# KiCad board Vectrex Pad miniNeoGeo-rounded.kicad_pcb
title: Vectrex Pad miniNeoGeo; date: 2022-05-11; rev: 1.2; note: or send a letter to Creative Commons, PO Box 1866, Mountain View, CA 94042, USA.; note: To view a copy of this license, visit http://creativecommons.org/licenses/by-sa/4.0/; note: Attribution-ShareAlike 4.0 International License.; note: This work is licensed under the Creative Commons
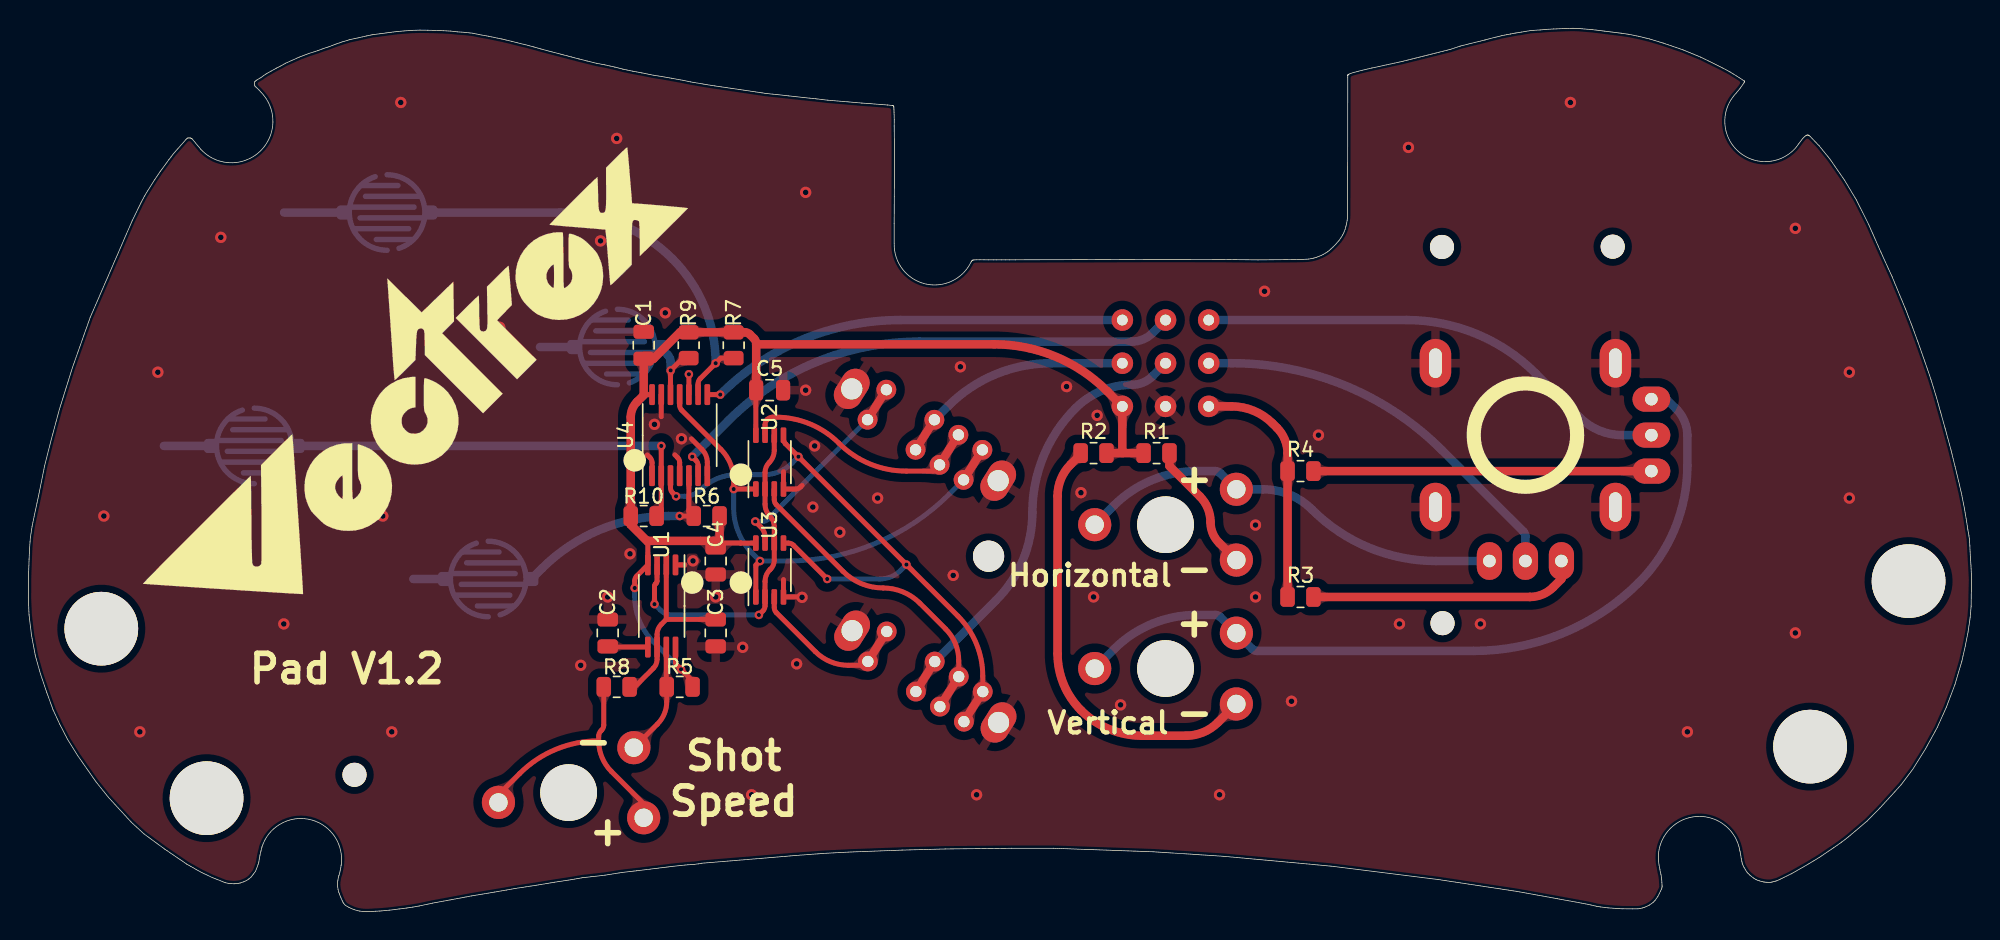
[diagram p0: board, top side]
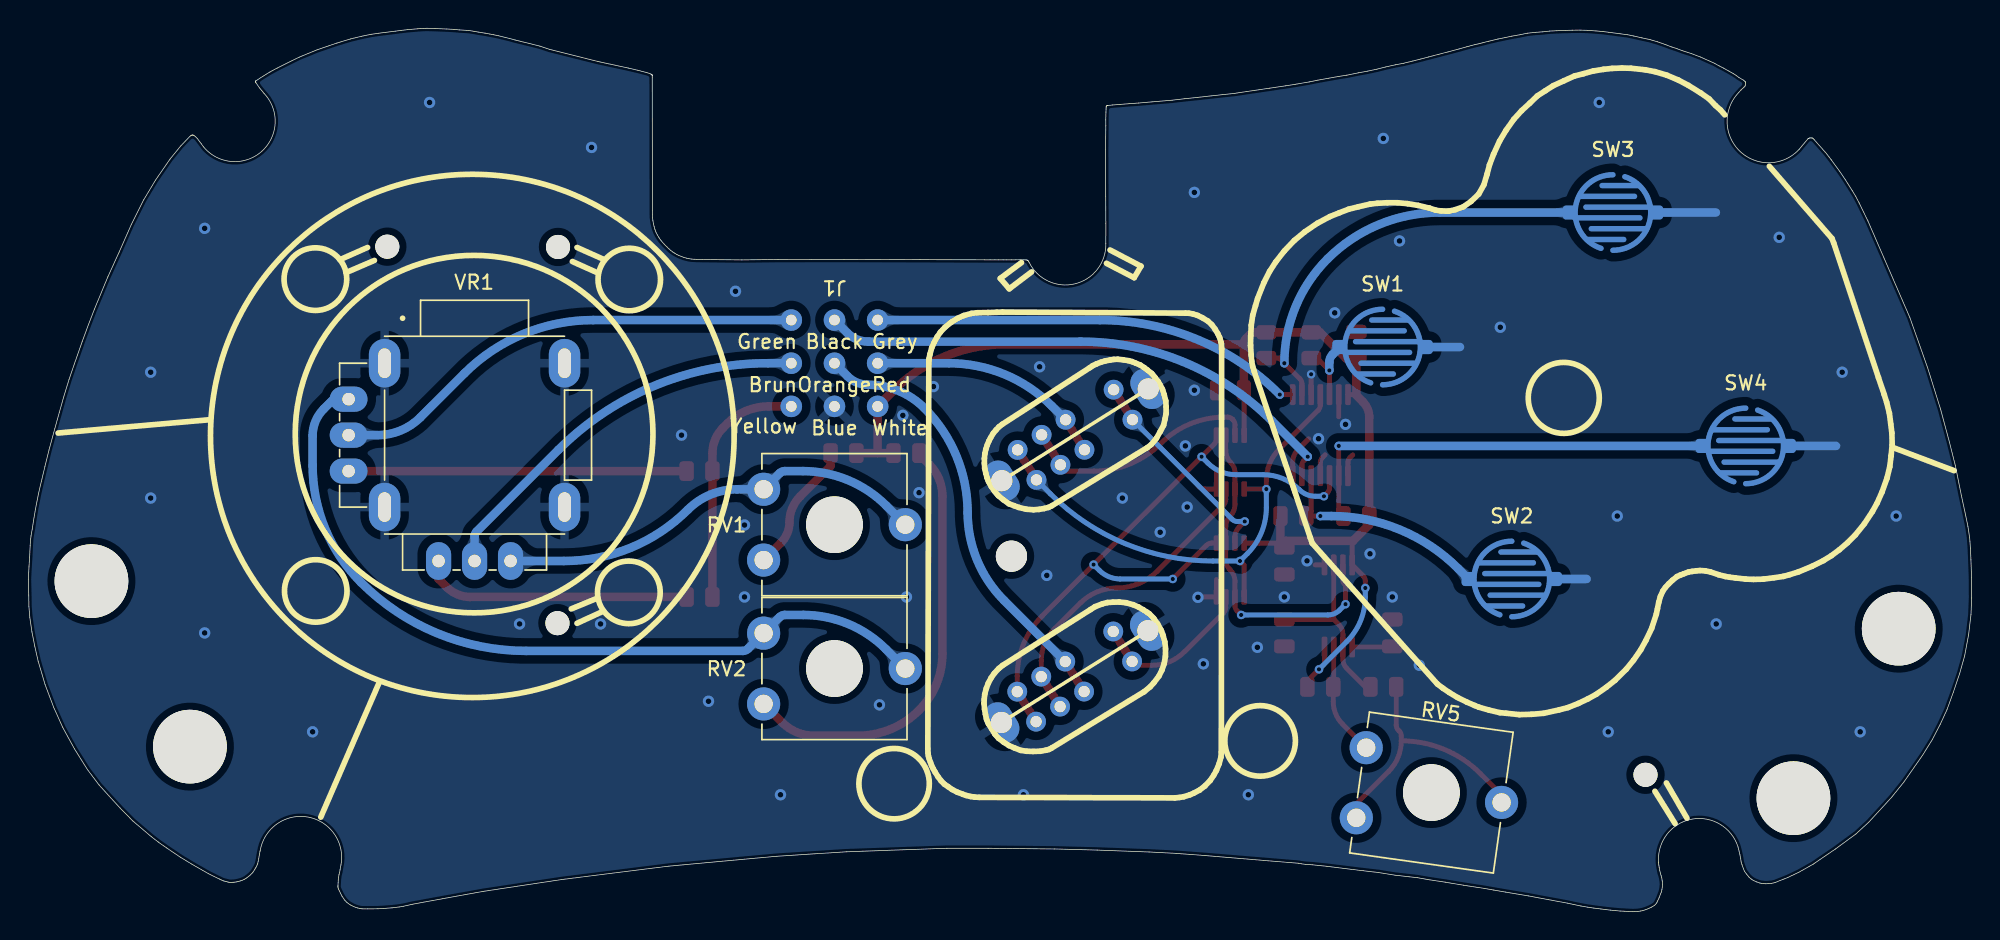
[diagram p1: board, bottom side, seen from below]

Outline 137.15 x 62.39 mm; copper layers: Top, Bottom. Coordinates in mm from the lower left corner of the outline.
Outline path: 0,22.16 0.01,23.61 0.05,24.88 0.09,25.63 0.12,26.15 0.14,26.42 0.26,27.22 0.44,28.06 0.72,29.38 1.15,31.5 1.57,33.15 2.19,35.46 3.11,38.43 4.36,41.96 7.32,48.79 7.94,50.06 8.19,50.54 8.43,50.93 8.93,51.71 9.31,52.29 9.62,52.71 9.92,53.11 10.06,53.3 10.26,53.56 11.11,54.52 11.17,54.58 11.22,54.63 11.26,54.65 11.32,54.65 11.39,54.65 11.43,54.65 11.46,54.64 11.5,54.62 11.52,54.61 11.55,54.59 11.58,54.55 12.18,53.84 arc(16.34,53.7) 16.44,57.86 16.28,58.04 16.17,58.14 16.06,58.25 16,58.3 15.98,58.35 15.96,58.4 15.96,58.49 15.96,58.56 15.97,58.59 15.98,58.62 16.01,58.66 16.11,58.73 16.43,58.92 16.6,59.05 16.79,59.18 16.96,59.27 17.12,59.36 17.52,59.58 17.82,59.73 18.15,59.92 18.56,60.1 19.13,60.36 19.79,60.61 20.41,60.81 20.81,60.96 21.23,61.09 21.64,61.25 22.18,61.44 22.7,61.59 23.28,61.72 23.86,61.85 24.27,61.94 24.82,62.01 25.6,62.11 26.02,62.16 26.51,62.2 27.12,62.25 27.64,62.26 28.19,62.26 28.68,62.24 29.29,62.22 29.79,62.19 30.31,62.14 30.8,62.11 31.37,62.04 31.86,61.94 32.46,61.83 32.92,61.74 33.43,61.63 34.08,61.48 34.75,61.31 35.05,61.24 35.62,61.09 36.17,60.93 36.95,60.72 37.61,60.55 38.32,60.37 38.87,60.23 39.44,60.08 40.11,59.92 40.68,59.81 41.39,59.65 41.97,59.5 42.66,59.36 43.29,59.25 44.1,59.08 44.7,58.99 45.37,58.87 46.21,58.71 46.73,58.61 47.76,58.43 48.42,58.33 49.55,58.16 50.64,58 52.03,57.79 52.89,57.7 53.68,57.62 54.62,57.51 55.54,57.42 56.43,57.31 57.85,57.2 58.81,57.11 59.47,57.07 60.11,57.02 60.64,56.97 60.91,56.95 60.97,56.94 60.99,56.94 61.02,56.93 61.04,56.92 61.05,56.91 61.07,56.9 61.07,56.88 61.08,56.85 61.08,56.82 61.09,56.69 61.1,56.47 61.11,55.93 61.11,55.5 61.13,53.83 61.12,50.53 61.11,48.6 61.11,47.18 arc(63.29,44.34) 66.53,45.87 66.55,45.91 66.57,45.94 66.58,45.96 66.6,45.98 66.62,46 66.64,46.01 66.67,46.02 66.71,46.03 66.8,46.03 66.89,46.04 67.16,46.04 67.45,46.04 67.77,46.04 68.67,46.04 68.94,46.04 69.67,46.04 74.21,46.05 79.58,46.07 81.88,46.07 84.25,46.06 86.79,46.03 89.58,46.06 89.97,46.07 90.18,46.08 90.35,46.09 90.53,46.12 90.7,46.16 90.89,46.21 91.08,46.28 91.26,46.36 91.4,46.43 91.57,46.53 91.68,46.6 91.84,46.72 91.94,46.81 92.07,46.94 92.27,47.14 92.5,47.4 92.64,47.59 92.76,47.8 92.86,48 92.93,48.18 92.99,48.39 93.04,48.6 93.08,48.83 93.1,49.03 93.11,49.26 93.11,49.5 93.12,58.9 93.12,59.06 93.13,59.09 93.13,59.1 93.15,59.12 93.16,59.13 93.18,59.14 93.19,59.14 93.21,59.16 93.3,59.2 93.51,59.27 94.13,59.43 94.82,59.59 96.96,60.05 100.37,60.91 101.05,61.13 101.81,61.32 102.8,61.57 103.19,61.67 103.96,61.86 104.31,61.94 104.59,61.99 104.92,62.05 105.4,62.13 105.7,62.18 106.08,62.24 106.23,62.25 106.7,62.28 107.11,62.31 107.63,62.34 108.45,62.37 108.94,62.39 109.09,62.39 109.25,62.38 109.49,62.37 109.66,62.36 110.38,62.3 110.85,62.24 111.25,62.19 111.95,62.1 112.42,62.04 112.96,61.97 113.65,61.82 114.41,61.64 115.38,61.35 116.12,61.09 116.77,60.87 118.04,60.35 118.67,60.04 119.59,59.58 120.1,59.31 120.63,58.98 121.09,58.68 121.11,58.66 121.12,58.65 121.13,58.64 121.13,58.64 121.13,58.63 121.13,58.62 121.12,58.61 121.12,58.6 121.1,58.57 121.08,58.54 120.84,58.18 120.69,58 120.51,57.79 arc(120.7,53.69) 124.79,54.02 124.95,54.24 125.23,54.62 125.37,54.76 125.44,54.8 125.48,54.83 125.51,54.84 125.53,54.85 125.56,54.85 125.59,54.85 125.61,54.85 125.64,54.84 125.67,54.82 125.69,54.8 125.75,54.75 126.39,54.09 127.15,53.16 128.18,51.66 129.01,50.28 129.88,48.54 130.74,46.59 131.54,44.83 132.49,42.56 132.91,41.45 133.35,40.27 133.9,38.69 134.28,37.58 134.67,36.33 134.97,35.24 135.29,34.1 135.69,32.61 135.98,31.44 136.24,30.38 136.43,29.54 136.65,28.43 136.79,27.62 136.88,27.02 136.96,26.54 136.99,26.32 137.02,25.86 137.06,25.02 137.1,24.41 137.15,23.48 137.12,22.36 137.11,21.57 137.05,20.79 136.9,19.76 136.7,18.77 136.46,17.69 135.97,16.04 135.36,14.44 134.72,13 133.9,11.5 132.98,10.04 132.16,8.95 131.37,8.08 130.67,7.32 129.78,6.41 128.47,5.3 127.98,4.92 127.39,4.51 126.4,3.84 125.6,3.35 124.42,2.67 123.67,2.31 123.55,2.25 123.45,2.2 123.37,2.17 123.27,2.15 123.15,2.12 123.07,2.09 123,2.08 122.94,2.07 122.86,2.07 122.77,2.07 122.66,2.08 122.58,2.09 122.48,2.1 122.4,2.12 122.3,2.14 122.18,2.18 122.07,2.21 121.97,2.26 121.89,2.29 121.81,2.34 121.74,2.39 121.6,2.5 121.48,2.6 121.38,2.7 121.3,2.78 121.26,2.85 121.16,3 121.09,3.12 121.05,3.21 121,3.31 120.96,3.42 120.93,3.56 120.89,3.77 120.85,4 120.83,4.12 120.8,4.24 120.79,4.32 arc(117.42,6.68) 115.09,3.3 115.15,2.97 115.18,2.78 115.22,2.63 115.26,2.43 115.28,2.24 115.29,2.05 115.3,1.84 115.3,1.78 115.3,1.74 115.29,1.66 115.26,1.59 115.19,1.45 115.11,1.28 115.01,1.08 114.9,0.92 114.81,0.8 114.67,0.66 114.56,0.57 114.39,0.46 114.21,0.37 114.06,0.31 113.92,0.26 113.74,0.22 113.6,0.2 113.2,0.2 112.48,0.21 112.06,0.23 111.49,0.27 110.95,0.34 110.68,0.38 110.07,0.52 107.91,0.91 105.06,1.43 99.51,2.27 91.94,3.22 84.33,3.91 79.42,4.23 72.33,4.48 69.41,4.48 64.71,4.43 61.72,4.35 58.05,4.22 56.12,4.12 54.11,3.97 47.52,3.42 47.31,3.38 47.03,3.35 46.51,3.31 45.5,3.21 42.94,2.89 41.86,2.77 40.69,2.58 39.71,2.47 39.11,2.4 38.42,2.28 37.13,2.08 35.87,1.87 34.41,1.65 33.72,1.53 32.91,1.39 31.26,1.11 29.87,0.85 28.53,0.6 27.58,0.4 27.13,0.32 26.66,0.25 25.82,0.15 25.49,0.11 25.12,0.07 24.81,0.05 24.52,0.03 24.22,0.01 23.91,0 23.76,0 23.59,0.01 23.38,0.04 23.25,0.07 23,0.14 22.8,0.22 22.6,0.32 22.4,0.44 22.32,0.5 22.26,0.59 22.21,0.67 22.16,0.76 22.06,0.99 21.96,1.26 21.9,1.39 21.86,1.58 21.83,1.74 21.82,1.91 21.83,2.11 21.85,2.22 21.88,2.41 21.91,2.53 21.97,2.72 22.02,2.94 22.05,3.12 22.08,3.28 22.09,3.34 22.09,3.41 22.1,3.45 22.1,3.5 22.1,3.54 arc(19.75,6.54) 16.49,4.57 16.42,4.28 16.35,4.01 16.3,3.73 16.27,3.51 16.21,3.31 16.11,3.05 16.03,2.85 15.89,2.66 15.73,2.45 15.56,2.31 15.4,2.2 15.17,2.1 14.94,2.02 14.82,2 14.67,1.98 14.53,1.97 14.33,1.98 14.11,2 13.89,2.05 13,2.4 12.2,2.78 11.48,3.19 11.18,3.36 9.61,4.43 8.16,5.5 7.26,6.32 5.66,8.07 4.79,9.15 3.47,11.03 2.78,12.15 2.22,13.24 1.74,14.26 1.3,15.5 0.85,16.82 0.5,18.06 0.22,19.55 0.05,20.98 0,22.16
Stack: Top 0.035mm / dielectric 1.11mm FR4 er 4.5 / Bottom 0.035mm

## Placement (name value [footprint] x y rotation side)
C1  100nF  [C_0805_2012Metric]  43.43 40.01 90 top
C2  10nF  [C_0805_2012Metric]  40.89 19.69 90 top
C3  470nf  [C_0805_2012Metric]  48.51 19.69 270 top
C4  100nF  [C_0805_2012Metric]  48.51 24.77 270 top
C5  100nF  [C_0805_2012Metric]  52.32 36.83 0 top
G***  LOGO  [vectrex-us-silkscreen]  26.28 37.47 45 top
J1  DB9_Female  [DB9]  80.26 38.74 180 bottom
NOREF  -  [unnamed]  -20.9 108.9 0 top
NOREF#2  -  [unnamed]  -27.85 97.21 0 top
NOREF#3  -  [unnamed#2]  -130.58 95.22 0 top
NOREF#4  -  [unnamed#3]  -85.83 110.66 0 top
NOREF#5  -  [unnamed#2]  -41.78 132.52 0 top
NOREF#6  -  [unnamed#2]  -53.79 105.93 0 top
NOREF#7  -  [unnamed]  -141.02 93.57 0 top
NOREF#8  -  [unnamed#2]  -53.83 132.5 0 top
NOREF#9  -  [unnamed]  -148.45 105.54 0 top
R1  330  [R_0805_2012Metric]  79.62 32.39 0 top
R2  330  [R_0805_2012Metric]  75.18 32.39 180 top
R3  820  [R_0805_2012Metric]  89.78 22.23 180 top
R4  820  [R_0805_2012Metric]  89.78 31.12 180 top
R5  10k  [R_0805_2012Metric]  45.97 15.88 180 top
R6  470k  [R_0805_2012Metric]  47.87 27.94 180 top
R7  470k  [R_0805_2012Metric]  49.78 40.01 270 top
R8  47k  [R_0805_2012Metric]  41.52 15.88 0 top
R9  470k  [R_0805_2012Metric]  46.6 40.01 270 top
R10  470k  [R_0805_2012Metric]  43.43 27.94 0 top
RV1  1k  [Potentiometer_ACP_CA9-V10_Vertical_Hole]  85.26 24.83 180 bottom
RV2  1k  [Potentiometer_ACP_CA9-V10_Vertical_Hole]  85.26 14.67 180 bottom
RV5  470k  [Potentiometer_ACP_CA9-V10_Vertical_Hole]  43.43 6.63 188 bottom
SW1  SW_Push  [Silicon Button 5mm Medium]  41.57 39.88 180 bottom
SW2  SW_Push  [Silicon Button 5mm Medium]  32.46 23.5 180 bottom
SW3  SW_Push  [Silicon Button 5mm Medium]  25.32 49.38 180 bottom
SW4  SW_Push  [Silicon Button 5mm Medium]  15.95 32.9 180 bottom
SW5  SW_DP3T  [OS203011MS1QP1]  63.28 33.68 147.9 bottom
SW6  SW_DP3T  [OS203011MS1QP1]  63.31 16.61 147.9 bottom
U1  NE555D  [TSSOP-8_4.4x3mm_P0.65mm]  44.7 21.59 270 top
U2  74LVC2G32  [SSOP-8_2.95x2.8mm_P0.65mm]  52.32 31.75 90 top
U3  74LVC2G00  [SSOP-8_2.95x2.8mm_P0.65mm]  52.32 24.13 90 top
U4  74LS125  [TSSOP-14_4.4x5mm_P0.65mm]  45.97 33.66 90 top
VR1  -  [F-2116]  105.66 33.66 180 bottom

## Library data of the parts
VR1 = -: MANUFACTURER: F; MAXIMUM_PACKAGE_HEIGHT: 19mm; PARTREV: N/A; STANDARD: Manufacturer Recommendations

## Footprints (pads in the part's own frame, mm; a bottom-side part is the same pattern mirrored in y, then rotated)
C_0805_2012Metric
  rrect 1x1.45 smd: 1(-0.95,0) 2(0.95,0)
DB9
  round 1.524 hole 0.762: 1(3.048,0) 2(0,3.048) 3(3.048,3.048) 4(0,0) 5(-3.048,0) 6(-3.048,3.048) 7(3.048,-3.048) 8(0,-3.048) 9(-3.048,-3.048)
F-2116
  oval 1.778x2.667 hole 0.889: H1(2.54,-8.89) H2(0,-8.89) H3(-2.54,-8.89)
  oval 2.222x3.429 hole 0.889x2.096: S1(-6.35,5.08) S2(-6.35,-5.08) S3(6.35,-5.08) S4(6.35,5.08)
  oval 2.667x1.778 hole 0.889: V1(-8.89,2.54) V2(-8.89,0) V3(-8.89,-2.54)
OS203011MS1QP1
  round 1.4 hole 0.8: 1(-4,1.25) 2(-2,1.25) 3(0,1.25) 4(4,1.25) 5(-4,-1.25) 6(-2,-1.25) 7(0,-1.25) 8(4,-1.25)
  oval 2x3 hole 1.5: 9(-6.1,0) 9(6.1,0)
Potentiometer_ACP_CA9-V10_Vertical_Hole
  round 4 hole 4 unplated: (5,2.5)
  round 2.34 hole 1.3: 1(0,0) 2(10,2.5) 3(0,5)
R_0805_2012Metric
  rrect 1.025x1.4 smd: 1(-0.912,0) 2(0.912,0)
Silicon Button 5mm Medium
  rrect 1x1 smd: 1(-3.048,0) 2(3.048,0)
SSOP-8_2.95x2.8mm_P0.65mm
  rrect 1.1x0.4 smd: 1(-1.9,0.975) 2(-1.9,0.325) 3(-1.9,-0.325) 4(-1.9,-0.975) 5(1.9,-0.975) 6(1.9,-0.325) 7(1.9,0.325) 8(1.9,0.975)
TSSOP-8_4.4x3mm_P0.65mm
  rrect 1.475x0.4 smd: 1(-2.9,0.975) 2(-2.9,0.325) 3(-2.9,-0.325) 4(-2.9,-0.975) 5(2.9,-0.975) 6(2.9,-0.325) 7(2.9,0.325) 8(2.9,0.975)
TSSOP-14_4.4x5mm_P0.65mm
  rrect 1.475x0.4 smd: 1(-2.862,1.95) 2(-2.862,1.3) 3(-2.862,0.65) 4(-2.862,0) 5(-2.862,-0.65) 6(-2.862,-1.3) 7(-2.862,-1.95) 8(2.862,-1.95) 9(2.862,-1.3) 10(2.862,-0.65) 11(2.862,0) 12(2.862,0.65) 13(2.862,1.3) 14(2.862,1.95)
unnamed
  round 5.2 hole 5.2 unplated: (153.601,-85.557)
unnamed#2
  round 1.7 hole 1.7 unplated: (153.601,-85.557)
unnamed#3
  round 2.2 hole 2.2 unplated: (153.601,-85.557)

## Nets
+5V: C1.1 C4.1 C5.1 J1.7 R1.1 R2.1 R5.1 R6.1 R7.1 R9.1 R10.1 U1.4 U1.8 U2.8 U3.8 U4.14
-5V: J1.9 R3.2 R4.2
GND: C1.2 C2.2 C3.2 C4.2 C5.2 J1.8 SW1.2 SW2.2 SW3.2 SW4.2 SW5.9 SW6.9 U1.1 U2.4 U3.4 U4.1 U4.4 U4.7 U4.10 U4.13 VR1.S1 VR1.S2 VR1.S3 VR1.S4
/Black: J1.2 U4.6
/Brun: J1.5 VR1.H2
/Green: J1.6 VR1.V2
/Grey: J1.3 U4.8
/Orange: J1.4 SW6.3 SW6.7
/Red: J1.1 SW5.3 SW5.7
Net-(C2-Pad1): C2.1 U1.5
Net-(C3-Pad1): C3.1 R8.2 U1.2 U1.6
Net-(R1-Pad2): R1.2 RV1.1
Net-(R2-Pad2): R2.2 RV2.1
Net-(R5-Pad2): R5.2 RV5.3 U1.7
Net-(R6-Pad2): R6.2 SW2.1 U4.5
Net-(R7-Pad2): R7.2 SW3.1 U4.9
Net-(R8-Pad1): R8.1 RV5.1 RV5.2
Net-(R9-Pad2): R9.2 SW1.1 U4.12
Net-(R10-Pad2): R10.2 SW4.1 U4.2
Net-(RV1-Pad2): RV1.2 RV1.3 VR1.H1
Net-(RV2-Pad2): RV2.2 RV2.3 VR1.V1
Net-(SW5-Pad1): SW5.1 SW5.5 U2.1 U3.1 U4.11
Net-(SW5-Pad2): SW5.2 SW5.6 U2.7
Net-(SW5-Pad4): SW5.4 SW5.8 U3.7
Net-(SW6-Pad1): SW6.1 SW6.5 U2.5 U3.5 U4.3
Net-(SW6-Pad2): SW6.2 SW6.6 U2.3
Net-(SW6-Pad4): SW6.4 SW6.8 U3.3
Net-(U1-Pad3): U1.3 U2.2 U2.6 U3.2 U3.6
Net-(VR1-PadH3): R3.1 VR1.H3
Net-(VR1-PadV3): R4.1 VR1.V3

## Via types
v1: diameter 0.8, hole 0.4, Top to Bottom, 52 vias
v2: diameter 0.6, hole 0.3, Top to Bottom, 18 vias

## Routing (per net, layer and track width the routed paths; a pad name or vN(x,y) marks a point on that pad's centre or on a via; arc(x,y) is an arc through that point)
+5V: length 87.2
  Top w0.35: U2.8 51.34,36.81 C5.1 ; U4.14 43.43,36.52 43.43,36.48 ; 48.51,26.04 50.28,26.04 50.28,26.03 U3.8 ; U1.8 45.67,17.63 arc(45.7,17.52) 45.76,17.42 v2(46.06,17.12) 46.88,16.3 R5.1 ; v2(42.79,22.86) 42.79,23.36 arc(42.83,23.55) 42.94,23.71 U1.4 43.72,26.14 ; 48.79,26 C4.1
  Top w0.6: R1.1 R2.1 ; 43.43,36.48 42.96,36.01 arc(42.63,35.51) 42.52,34.93 R10.1 42.52,27.33 43.68,26.16 43.71,26.19 48.38,26.19 arc(48.58,26.15) 48.74,26.04 48.79,26 R6.1 ; 43.43,36.52 C1.1 44.13,39.06 45.99,40.92 R9.1 R7.1 50.56,40.92 arc(50.76,40.88) 50.92,40.77 51.22,40.47 arc(51.33,40.31) 51.37,40.12 51.37,40.07 ; 51.37,40.07 68.15,40.07 arc(72.47,39.21) 76.13,36.77 J1.7 77.21,32.39 ; 51.37,40.07 C5.1
  Bottom w0.35: v2(42.79,22.86) 42.79,22.25 arc(43.14,20.53) 44.11,19.07 v2(46.06,17.12)
-5V: length 17.4
  Top w0.6: J1.9 84.91,35.69 arc(86.48,35.38) 87.81,34.49 88.12,34.18 arc(88.68,33.35) 88.87,32.37 R4.2 R3.2
GND: length 27.2
  Top w0.35: U4.4 45.97,31.72 arc(45.93,31.91) 45.82,32.07 45.63,32.27 ; U4.13 44.67,34.96 ; 46.79,33.4 47.54,32.64 arc(47.82,32.23) 47.92,31.74 U4.7 ; U4.1 44.02,31.72 arc(43.98,31.91) 43.87,32.07 43.68,32.26 ; v1(54.6,22.2) 54.57,22.23 U3.4 53.29,23.46 ; v2(46.62,37.96) U4.10 ; 53.29,31.08 53.29,29.85 53.3,29.85 54.14,29.85 arc(54.34,29.89) 54.5,29.99 54.6,30.1 ; U1.1 46.33,24.49
  Bottom w0.6: SW2.2 27.17,23.5 ; SW1.2 36.11,39.88 ; SW3.2 18.05,49.38 ; SW4.2 9.57,32.9
  vias: v1(5.33,27.94) v1(7.87,12.7) v1(9.14,38.1) v1(13.58,47.63) v1(18.03,20.32) v1(25.01,27.94) v1(25.65,12.7) v1(26.28,57.15) v1(33.27,41.28) v1(38.98,17.4) v1(40.38,47.37) v1(40.89,22.23) v1(41.52,54.61) v1(42.46,25.28) v1(44.19,34.42) v1(44.95,42.29) v1(46.1,33.4) v1(46.91,24.78) v1(48.51,22.23) v1(50.41,18.67) v1(51.05,8.26) v1(54.22,17.5) v1(54.86,50.8) v1(54.86,36.83) v1(55.37,28.58) v1(55.49,32.9) v1(57.27,26.8) v1(59.94,29.21) v1(65.27,23.75) v1(65.78,38.48) v1(66.92,8.26) v1(73.27,37.09) v1(74.29,29.59) v1(75.18,22.23) v1(75.43,35.05) v1(77.08,14.61) v1(84.07,8.26) v1(86.61,27.31) v1(86.61,22.23) v1(87.24,43.82) v1(89.15,14.86) v1(91.05,33.66) v1(96.77,20.32) v1(97.4,53.98) v1(102.48,20.32) v1(108.83,57.15) v1(117.09,12.7) v1(124.71,48.26) v1(124.71,19.69) v1(128.52,38.1) v1(128.52,29.21)
/Black: length 38
  Top w0.35: U4.6 47.27,31.52 arc(47.23,31.71) 47.12,31.87 v2(46.86,32.13)
  Bottom w0.6: J1.2 79.35,40.87 arc(78.67,40.42) 77.87,40.26 62.89,40.26 arc(55.59,38.81) 49.4,34.67 v2(46.86,32.13)
/Brun: length 28.3
  Bottom w0.6: J1.5 84.96,38.74 arc(92.96,37.14) 99.75,32.61 105.51,26.85 arc(105.62,26.69) 105.66,26.49 VR1.H2
/Green: length 33.9
  Bottom w0.6: J1.6 97.28,41.79 arc(102.2,40.81) 106.38,38.01 109.49,34.91 arc(110.87,33.98) 112.51,33.66 VR1.V2
/Grey: length 30.7
  Top w0.35: U4.8 v2(48.83,36.52)
  Bottom w0.6: J1.3 61.54,41.79 arc(54.66,40.42) v2(48.83,36.52)
/Orange: length 31
  Top w0.6: SW6.7 SW6.3
  Bottom w0.6: J1.4 79.33,37.81 arc(78.67,37.37) 77.89,37.21 arc(75.74,36.79) 73.91,35.57 arc(71.65,32.19) 70.86,28.2 arc(70.19,24.83) 68.29,21.98 SW6.3
/Red: length 17
  Top w0.6: SW5.3 SW5.7
  Bottom w0.6: SW5.3 64.93,35.73 arc(68.26,37.95) 72.2,38.74 J1.1
Net-(C2-Pad1): length 2.9
  Top w0.35: C2.1 40.93,18.69 U1.5
Net-(C3-Pad1): length 13.3
  Top w0.35: R8.2 42.79,15.88 44.12,17.2 arc(44.31,17.49) 44.37,17.82 U1.6 44.37,19.58 arc(44.45,19.97) 44.67,20.29 45.02,20.65 ; 45.02,24.49 45.02,20.65 ; 45.02,20.65 45.03,20.64 48.51,20.64
Net-(R1-Pad2): length 9.3
  Top w0.6: R1.2 80.54,31.48 82.68,29.33 arc(83.24,28.5) 83.43,27.51 arc(83.59,26.72) 84.04,26.05 RV1.1
Net-(R2-Pad2): length 31.4
  Top w0.6: RV2.1 83.94,13.36 arc(82.91,12.67) 81.7,12.43 78.62,12.43 arc(76.28,12.89) 74.3,14.22 arc(73.07,16.06) 72.64,18.22 72.64,29.36 arc(72.88,30.56) 73.56,31.58 74.27,32.29 R2.2
Net-(R5-Pad2): length 8
  Top w0.35: RV5.3 44.4,13.25 arc(44.89,13.98) 45.06,14.84 R5.2 45.02,15.91 45.02,18.69
Net-(R6-Pad2): length 15.7
  Top w0.35: U4.5 46.62,28.29 R6.2 v2(45.97,27.94)
  Bottom w0.6: 35.52,23.52 36.25,24.24 arc(40.35,26.98) 45.19,27.94 v2(45.97,27.94)
Net-(R7-Pad2): length 30.3
  Top w0.35: U4.9 47.27,37.29 arc(47.31,37.48) 47.42,37.64 v2(48.51,38.74) 48.87,39.1 R7.2
  Bottom w0.6: SW3.1 37.56,49.38 arc(41.83,48.53) 45.46,46.11 arc(47.72,42.73) v2(48.51,38.74)
Net-(R8-Pad1): length 19.4
  Top w0.35: RV5.2 33.18,8.26 34.68,9.76 arc(37.24,11.47) 40.25,12.07 ; 40.25,12.07 40.25,12.41 arc(40.29,12.6) 40.4,12.76 40.46,12.82 arc(40.57,12.99) 40.61,13.18 R8.1 ; 40.25,12.07 arc(40.49,10.89) 41.15,9.9 43.43,7.62 RV5.1
Net-(R9-Pad2): length 5.3
  Top w0.35: R9.2 46.2,39.1 v2(45.33,38.23) 45.32,38.21 U4.12
  Bottom w0.35: SW1.1 44.62,39.83
  Bottom w0.6: 44.62,39.83 45.12,39.33 arc(45.28,39.1) 45.33,38.81 v2(45.33,38.23)
Net-(R10-Pad2): length 30.8
  Top w0.35: R10.2 44.67,28.27 U4.2 v2(44.67,32.9)
  Bottom w0.6: SW4.1 v2(44.67,32.9)
Net-(RV1-Pad2): length 30.9
  Bottom w0.6: VR1.H1 99.36,24.77 arc(94.62,25.71) 90.6,28.39 arc(89.01,29.46) 87.13,29.83 RV1.3 84.12,30.97 arc(83.96,31.08) 83.77,31.12 82.49,31.12 arc(79.31,30.48) 76.61,28.68 RV1.2
Net-(RV2-Pad2): length 57.3
  Bottom w0.6: VR1.V1 115.61,36.2 116.31,35.5 arc(116.89,34.64) 117.09,33.62 117.09,31.51 arc(116.2,27.04) 113.67,23.25 arc(108.31,19.67) 102,18.42 86.72,18.42 arc(86.53,18.46) 86.37,18.56 RV2.3 84.12,20.81 arc(83.96,20.92) 83.77,20.96 82.46,20.96 arc(79.3,20.33) 76.63,18.54 RV2.2
Net-(SW5-Pad1): length 36.5
  Top w0.35: U4.11 45.97,35.77 arc(46.01,35.58) 46.12,35.42 48.87,32.66 arc(49.54,31.66) 49.78,30.47 v2(49.78,29.85) 49.78,29.85 51.34,29.85 ; U3.1 51.34,24.47 v2(51.64,24.77)
  Top w0.6: SW5.1 SW5.5
  Bottom w0.35: v2(49.78,29.85) 49.78,28.52 arc(50.13,26.77) 51.12,25.29 v2(51.64,24.77) 53.56,24.77 arc(59.76,26) 65.02,29.52 SW5.5
Net-(SW5-Pad2): length 17.1
  Top w0.35: SW5.6 63.87,31.12 61.95,31.12 arc(59.39,31.63) 57.22,33.08 arc(55.17,34.45) 52.75,34.93 52.53,34.93 arc(52.33,34.89) 52.17,34.78 52.14,34.75 arc(52.03,34.59) 51.99,34.4 U2.7
  Top w0.6: SW5.2 SW5.6
Net-(SW5-Pad4): length 15.2
  Top w0.35: v2(51.3,27.56) 51.7,27.17 arc(51.92,26.84) 51.99,26.45 U3.7
  Top w0.6: SW5.4 SW5.8
  Bottom w0.35: SW5.8 52.19,27.71 arc(52.02,27.6) 51.83,27.56 v2(51.3,27.56)
Net-(SW6-Pad1): length 47.2
  Top w0.35: v2(56.38,23.5) 53.99,25.89 arc(53.83,25.99) 53.64,26.03 U3.5 ; SW6.1 67.36,16.65 arc(66.9,18.94) 65.61,20.88 v2(61.97,24.51) v2(54.35,32.13) 53.44,33.04 arc(53.33,33.21) 53.29,33.4 U2.5 ; v2(45.71,29.34) 45.47,29.59 arc(45.36,29.75) 45.32,29.94 U4.3
  Top w0.6: SW6.1 SW6.5
  Bottom w0.35: v2(61.97,24.51) 61.56,24.11 arc(60.89,23.66) 60.09,23.5 v2(56.38,23.5) ; v2(45.71,29.34) 46.31,29.34 arc(46.93,29.46) 47.46,29.81 arc(48.62,30.59) 49.99,30.86 51.92,30.86 arc(52.99,31.08) 53.9,31.68 v2(54.35,32.13)
Net-(SW6-Pad2): length 22.5
  Top w0.35: SW6.2 65.66,17.73 arc(65.42,18.94) 64.74,19.97 62.92,21.79 arc(61.73,22.58) 60.33,22.86 arc(58.8,23.17) 57.5,24.04 52.79,28.74 arc(52.68,28.9) 52.64,29.09 52.64,29.85
  Top w0.6: SW6.2 SW6.6
Net-(SW6-Pad4): length 11.8
  Top w0.35: 52.64,22.43 52.64,21.47 arc(52.68,21.28) 52.79,21.12 55.55,18.36 arc(56.61,17.65) 57.87,17.4 58.98,17.4 SW6.8
  Top w0.6: SW6.4 SW6.8
Net-(U1-Pad3): length 23.8
  Top w0.35: v2(44.19,21.72) 44.19,23 arc(44.21,23.07) 44.25,23.14 44.32,23.2 arc(44.36,23.27) 44.37,23.35 U1.3 ; v2(51.56,20.96) 51.85,21.25 arc(51.96,21.41) 51.99,21.6 U3.2 51.99,23.32 arc(52.08,23.77) 52.34,24.15 52.39,24.2 arc(52.58,24.49) 52.64,24.82 52.64,27.21 arc(52.57,27.59) 52.36,27.9 arc(52.09,28.31) 51.99,28.78 51.99,31.02 arc(52.07,31.4) 52.28,31.71 arc(52.55,32.12) 52.64,32.59 U2.6
  Bottom w0.35: v2(51.56,20.96) 45.43,20.96 arc(44.99,21.05) 44.61,21.3 v2(44.19,21.72)
Net-(VR1-PadH3): length 19.2
  Top w0.6: R3.1 105.97,22.23 arc(106.86,22.4) 107.61,22.91 108.2,23.5 VR1.H3
Net-(VR1-PadV3): length 23.9
  Top w0.6: VR1.V3 R4.1

## Copper pours and planes (outline as drawn; the poured copper is in the pictures)
+5V on Top: 43.73,38.06 43.77,38.18 43.81,38.3 43.85,38.4 43.89,38.49 43.93,38.56 43.43,39.06 42.93,38.56 42.97,38.49 43.01,38.4 43.05,38.3 43.09,38.18 43.13,38.06
+5V on Top: 49.72,26.21 49.57,26.17 49.43,26.16 49.28,26.16 49.13,26.18 48.98,26.22 48.51,25.72 49.22,25.39 49.32,25.52 49.42,25.64 49.52,25.73 49.62,25.81 49.72,25.86
+5V on Top: 44.3,39.65 44.11,39.61 43.92,39.58 43.73,39.56 43.54,39.55 43.35,39.56 43.43,39.06 44.15,38.78 44.26,38.89 44.38,38.99 44.49,39.08 44.61,39.16 44.72,39.22
+5V on Top: 75.92,36.56 76.13,36.32 76.25,36.12 76.33,35.93 76.39,35.7 76.51,35.4 77.21,35.69 77.5,36.39 77.2,36.51 76.97,36.57 76.78,36.65 76.58,36.77 76.35,36.98
+5V on Top: 47.43,25.89 47.5,25.83 47.57,25.77 47.64,25.69 47.71,25.59 47.78,25.49 48.51,25.72 48.61,26.22 48.38,26.25 48.14,26.29 47.9,26.34 47.66,26.41 47.43,26.49
+5V on Top: 48.57,40.62 48.7,40.61 48.83,40.58 48.97,40.54 49.1,40.49 49.23,40.43 49.78,40.92 49.23,41.41 49.1,41.35 48.97,41.3 48.83,41.26 48.7,41.23 48.57,41.22
+5V on Top: 77.69,32.09 77.79,32.07 77.9,32.04 78,32 78.11,31.94 78.21,31.88 78.71,32.39 78.21,32.9 78.11,32.83 78,32.78 77.9,32.73 77.79,32.7 77.69,32.69
+5V on Top: 77.51,34.17 77.53,34.49 77.58,34.71 77.67,34.89 77.78,35.1 77.91,35.4 77.21,35.69 76.51,35.4 76.64,35.1 76.76,34.89 76.84,34.71 76.89,34.49 76.91,34.17
+5V on Top: 77.12,32.69 77.01,32.7 76.91,32.73 76.8,32.78 76.7,32.83 76.59,32.9 76.09,32.39 76.59,31.88 76.7,31.94 76.8,32 76.91,32.04 77.01,32.07 77.12,32.09
+5V on Top: 48.49,26.72 48.41,26.59 48.34,26.48 48.27,26.38 48.2,26.29 48.13,26.22 48.51,25.72 49.15,26.15 49.14,26.24 49.12,26.34 49.11,26.46 49.1,26.58 49.09,26.72
+5V on Top: 47.82,41.22 47.68,41.23 47.55,41.26 47.42,41.3 47.28,41.35 47.15,41.41 46.6,40.92 47.15,40.43 47.28,40.49 47.42,40.54 47.55,40.58 47.68,40.61 47.82,40.62
+5V on Top: 46.12,16.81 46.17,16.64 46.22,16.44 46.27,16.23 46.32,15.99 46.37,15.74 46.88,15.88 47.06,16.58 46.92,16.63 46.78,16.71 46.64,16.81 46.5,16.92 46.37,17.06
+5V on Top: 51.52,35.61 51.59,35.78 51.65,35.93 51.72,36.06 51.78,36.17 51.85,36.26 51.37,36.83 50.89,36.26 50.94,36.17 51,36.06 51.06,35.93 51.11,35.78 51.17,35.61
+5V on Top: 49.09,26.73 49.13,26.89 49.16,27.04 49.2,27.17 49.24,27.29 49.28,27.4 48.79,27.94 48.29,27.4 48.33,27.29 48.37,27.17 48.41,27.04 48.45,26.89 48.49,26.73
+5V on Top: 51.07,38.06 51.03,37.9 51,37.76 50.96,37.63 50.92,37.51 50.89,37.4 51.37,36.83 51.85,37.4 51.81,37.51 51.78,37.63 51.74,37.76 51.71,37.9 51.67,38.06
+5V on Top: 42.22,29.16 42.18,29 42.14,28.85 42.1,28.72 42.06,28.6 42.02,28.49 42.52,27.94 43.01,28.49 42.97,28.6 42.93,28.72 42.89,28.85 42.86,29 42.82,29.16
-5V on Top: 88.57,23.44 88.53,23.28 88.49,23.14 88.46,23 88.42,22.88 88.38,22.77 88.87,22.23 89.36,22.77 89.33,22.88 89.29,23 89.25,23.14 89.21,23.28 89.17,23.44
-5V on Top: 84.83,35.99 84.51,36.01 84.29,36.06 84.1,36.14 83.89,36.26 83.6,36.39 83.31,35.69 83.6,34.99 83.89,35.12 84.1,35.23 84.29,35.32 84.51,35.37 84.83,35.39
-5V on Top: 89.17,29.91 89.21,30.06 89.25,30.21 89.29,30.34 89.33,30.46 89.36,30.57 88.87,31.12 88.38,30.57 88.42,30.46 88.46,30.34 88.49,30.21 88.53,30.06 88.57,29.91
-5V on Top: 88.57,32.33 88.53,32.17 88.49,32.03 88.46,31.89 88.42,31.77 88.38,31.66 88.87,31.12 89.36,31.66 89.33,31.77 89.29,31.89 89.25,32.03 89.21,32.17 89.17,32.33
GND on Top, Bottom: -3.56,-1.9 138.68,-1.9 138.68,64.14 -3.56,64.14
/Black on Bottom: 79.56,40.66 79.76,40.83 79.93,40.91 80.1,40.95 80.29,41 80.55,41.08 80.26,41.79 79.55,42.08 79.47,41.82 79.43,41.62 79.39,41.45 79.3,41.29 79.13,41.08
/Brun on Bottom: 105.36,26.49 105.25,26.24 105.15,26.02 105.05,25.83 104.94,25.68 104.84,25.55 105.66,24.77 106.48,25.55 106.38,25.68 106.27,25.83 106.17,26.02 106.06,26.24 105.96,26.49
/Brun on Bottom: 84.83,39.04 84.51,39.06 84.29,39.11 84.1,39.19 83.89,39.3 83.6,39.44 83.31,38.74 83.6,38.03 83.89,38.17 84.1,38.28 84.29,38.37 84.51,38.42 84.83,38.44
/Green on Bottom: 84.83,42.09 84.51,42.1 84.29,42.16 84.1,42.24 83.89,42.35 83.6,42.49 83.31,41.79 83.6,41.08 83.89,41.22 84.1,41.33 84.29,41.41 84.51,41.47 84.83,41.49
/Green on Bottom: 112.51,33.36 112.76,33.32 113.01,33.26 113.26,33.15 113.51,33.01 113.76,32.84 114.55,33.66 113.76,34.48 113.51,34.3 113.26,34.16 113.01,34.06 112.76,33.99 112.51,33.96
/Grey on Bottom: 75.69,41.49 76.01,41.47 76.23,41.41 76.41,41.33 76.62,41.22 76.92,41.08 77.21,41.79 76.92,42.49 76.62,42.35 76.41,42.24 76.23,42.16 76.01,42.1 75.69,42.09
/Orange on Top: 63.12,16.88 62.94,16.63 62.76,16.48 62.59,16.38 62.39,16.25 62.15,16.04 62.64,15.55 63.29,15.28 63.39,15.59 63.42,15.83 63.43,16.04 63.49,16.27 63.63,16.56
/Orange on Top: 63.49,16.33 63.68,16.58 63.85,16.73 64.02,16.84 64.22,16.96 64.47,17.17 63.97,17.67 63.32,17.93 63.22,17.62 63.19,17.38 63.18,17.17 63.13,16.94 62.98,16.65
/Orange on Bottom: 64.75,18.87 64.53,18.67 64.36,18.56 64.19,18.48 63.98,18.42 63.7,18.31 63.97,17.66 64.62,17.4 64.72,17.68 64.79,17.88 64.86,18.05 64.98,18.23 65.17,18.44
/Orange on Bottom: 79.55,37.6 79.75,37.77 79.92,37.86 80.09,37.9 80.29,37.95 80.55,38.03 80.26,38.74 79.55,39.03 79.47,38.77 79.42,38.57 79.38,38.4 79.3,38.23 79.12,38.03
/Red on Top: 63.46,33.41 63.65,33.66 63.82,33.81 64,33.91 64.2,34.04 64.44,34.25 63.95,34.74 63.3,35.01 63.2,34.69 63.17,34.46 63.15,34.24 63.1,34.02 62.95,33.73
/Red on Top: 63.1,33.96 62.91,33.71 62.74,33.56 62.56,33.45 62.36,33.33 62.12,33.12 62.62,32.62 63.26,32.36 63.36,32.67 63.39,32.91 63.41,33.12 63.46,33.35 63.61,33.64
/Red on Bottom: 75.69,38.44 76.01,38.42 76.23,38.37 76.41,38.28 76.62,38.17 76.92,38.03 77.21,38.74 76.92,39.44 76.62,39.3 76.41,39.19 76.23,39.11 76.01,39.06 75.69,39.04
/Red on Bottom: 64.72,35.94 64.5,35.74 64.33,35.63 64.16,35.56 63.95,35.49 63.68,35.39 63.94,34.74 64.59,34.47 64.7,34.75 64.76,34.95 64.83,35.12 64.95,35.3 65.14,35.51
Net-(C2-Pad1) on Top: 42.11,18.87 41.98,18.9 41.85,18.95 41.72,19.02 41.59,19.11 41.46,19.22 40.89,18.74 41.46,18.26 41.59,18.35 41.72,18.42 41.85,18.47 41.98,18.5 42.11,18.52
Net-(C3-Pad1) on Top: 47.28,20.47 47.41,20.44 47.55,20.4 47.68,20.34 47.81,20.26 47.94,20.16 48.51,20.64 47.94,21.12 47.81,21.02 47.68,20.94 47.55,20.88 47.41,20.84 47.28,20.82
Net-(R1-Pad2) on Top: 83.83,25.84 84.03,25.57 84.1,25.32 84.11,25.08 84.1,24.82 84.14,24.54 85.26,24.83 85.46,25.98 85.19,26 84.95,25.99 84.73,26 84.5,26.07 84.25,26.26
Net-(R1-Pad2) on Top: 80.96,31.48 80.98,31.59 81,31.7 81.01,31.79 81.03,31.87 81.05,31.94 80.54,32.39 80.14,31.73 80.22,31.62 80.3,31.5 80.38,31.36 80.46,31.21 80.54,31.05
Net-(R2-Pad2) on Top: 84.15,13.14 84.42,13.36 84.67,13.46 84.91,13.49 85.17,13.49 85.46,13.52 85.26,14.67 84.14,14.97 84.09,14.66 84.08,14.38 84.06,14.12 83.96,13.86 83.73,13.57
Net-(R2-Pad2) on Top: 73.77,31.37 73.89,31.46 74,31.54 74.11,31.6 74.22,31.65 74.33,31.69 74.27,32.39 73.75,32.58 73.67,32.4 73.59,32.23 73.51,32.07 73.43,31.93 73.35,31.8
Net-(R5-Pad2) on Top: 45.23,14.84 45.3,14.97 45.36,15.09 45.42,15.19 45.49,15.27 45.55,15.33 45.06,15.88 44.56,15.33 44.63,15.27 44.69,15.19 44.75,15.09 44.82,14.97 44.88,14.84
Net-(R5-Pad2) on Top: 44.13,13.23 43.81,12.96 43.51,12.84 43.22,12.79 42.9,12.78 42.53,12.74 42.73,11.58 43.85,11.29 43.92,11.67 43.94,12.01 43.98,12.32 44.1,12.63 44.38,12.98
Net-(R5-Pad2) on Top: 44.85,17.09 44.79,16.92 44.73,16.76 44.68,16.63 44.62,16.52 44.56,16.42 45.06,15.88 45.55,16.42 45.48,16.52 45.41,16.63 45.34,16.76 45.27,16.92 45.2,17.09
Net-(R6-Pad2) on Top: 46.44,29.14 46.45,27.87 46.96,27.94 47.3,28.63 47.2,28.69 47.1,28.77 47,28.87 46.89,29 46.79,29.14
Net-(R6-Pad2) on Top: 45.97,27.77 46.07,27.74 46.17,27.69 46.26,27.62 46.36,27.53 46.46,27.43 46.96,27.94 46.46,28.46 46.36,28.35 46.26,28.27 46.17,28.2 46.07,28.15 45.97,28.12
Net-(R6-Pad2) on Bottom: 36.03,24.45 35.89,24.34 35.74,24.23 35.59,24.14 35.44,24.06 35.3,24 35.5,23.5 36,23.29 36.09,23.46 36.19,23.62 36.28,23.77 36.37,23.9 36.46,24.03
Net-(R7-Pad2) on Top: 48.78,38.76 48.87,38.76 48.96,38.74 49.05,38.71 49.14,38.66 49.23,38.6 49.78,39.1 49.12,39.49 49.01,39.36 48.89,39.24 48.77,39.14 48.65,39.06 48.53,39.01
Net-(R8-Pad1) on Top: 40.79,14.67 40.85,14.84 40.91,14.99 40.98,15.13 41.04,15.24 41.1,15.33 40.61,15.88 40.12,15.33 40.18,15.24 40.25,15.13 40.31,14.99 40.37,14.84 40.44,14.67
Net-(R8-Pad1) on Top: 34.26,9.59 33.92,9.29 33.63,9.12 33.34,9.01 33.04,8.91 32.69,8.76 33.18,7.72 34.35,7.72 34.31,8.09 34.24,8.42 34.2,8.72 34.27,9.02 34.51,9.34
Net-(R8-Pad1) on Top: 42.44,8.37 42.65,8.04 42.65,7.74 42.53,7.43 42.37,7.11 42.28,6.74 43.43,6.63 44.01,7.65 43.7,7.82 43.46,7.97 43.23,8.12 42.99,8.32 42.68,8.62
Net-(R9-Pad2) on Top: 45.67,38.32 45.89,38.41 46.1,38.49 46.32,38.54 46.53,38.57 46.75,38.58 46.6,39.1 45.9,39.27 45.81,39.09 45.71,38.93 45.62,38.79 45.52,38.67 45.42,38.57
Net-(R10-Pad2) on Top: 44.49,29.14 44.39,29 44.3,28.88 44.2,28.77 44.1,28.69 44,28.63 44.34,27.94 44.85,28.39 44.84,29.14
Net-(RV1-Pad2) on Bottom: 87.13,30.13 86.77,30.18 86.51,30.29 86.31,30.46 86.11,30.64 85.86,30.83 85.26,29.83 85.86,28.83 86.11,29.02 86.31,29.21 86.51,29.37 86.77,29.49 87.13,29.53
Net-(RV1-Pad2) on Bottom: 101.34,24.47 101.55,24.42 101.75,24.34 101.96,24.22 102.16,24.07 102.37,23.88 103.12,24.77 102.37,25.66 102.16,25.47 101.96,25.31 101.75,25.2 101.55,25.11 101.34,25.07
Net-(RV1-Pad2) on Bottom: 76.39,28.89 76.12,28.67 75.87,28.56 75.62,28.53 75.36,28.52 75.06,28.48 75.26,27.33 76.38,27.04 76.43,27.36 76.45,27.64 76.48,27.9 76.58,28.17 76.82,28.47
Net-(RV1-Pad2) on Bottom: 83.91,30.76 84.09,30.51 84.14,30.28 84.13,30.05 84.11,29.8 84.14,29.54 85.26,29.83 85.46,30.98 85.21,31 84.98,30.97 84.77,30.96 84.56,31.01 84.33,31.18
Net-(RV2-Pad2) on Bottom: 83.91,20.6 84.09,20.35 84.14,20.12 84.13,19.89 84.11,19.64 84.14,19.38 85.26,19.67 85.46,20.82 85.21,20.84 84.98,20.81 84.77,20.8 84.56,20.85 84.33,21.02
Net-(RV2-Pad2) on Bottom: 86.58,18.78 86.44,18.96 86.39,19.13 86.39,19.29 86.41,19.47 86.43,19.67 85.26,19.67 85.06,18.52 85.3,18.51 85.52,18.54 85.73,18.56 85.93,18.51 86.16,18.35
Net-(RV2-Pad2) on Bottom: 76.42,18.76 76.14,18.53 75.88,18.42 75.63,18.37 75.37,18.36 75.06,18.32 75.26,17.17 76.38,16.88 76.43,17.2 76.45,17.49 76.49,17.76 76.6,18.03 76.84,18.33
Net-(SW5-Pad1) on Top: 66.85,31.28 67.04,31.54 67.21,31.68 67.39,31.79 67.58,31.91 67.83,32.12 67.33,32.62 66.69,32.88 66.59,32.57 66.56,32.33 66.54,32.12 66.49,31.89 66.34,31.6
Net-(SW5-Pad1) on Top: 66.49,31.83 66.3,31.58 66.13,31.43 65.95,31.33 65.75,31.2 65.51,30.99 66,30.5 66.65,30.23 66.75,30.55 66.78,30.79 66.8,31 66.85,31.22 67,31.51
Net-(SW5-Pad1) on Bottom: 65.15,29.39 65.37,29.58 65.57,29.67 65.76,29.71 65.98,29.76 66.27,29.85 66.01,30.5 65.36,30.77 65.26,30.47 65.22,30.25 65.18,30.06 65.09,29.87 64.9,29.64
Net-(SW5-Pad2) on Top: 65.16,32.34 65.35,32.6 65.52,32.74 65.69,32.85 65.89,32.97 66.13,33.18 65.64,33.68 64.99,33.95 64.89,33.63 64.86,33.39 64.85,33.18 64.79,32.95 64.65,32.66
Net-(SW5-Pad2) on Top: 63.08,30.94 63.39,30.93 63.6,30.91 63.79,30.89 64.01,30.87 64.31,30.86 64.31,31.56 63.82,32.06 63.65,31.83 63.55,31.63 63.46,31.45 63.33,31.34 63.08,31.29
Net-(SW5-Pad2) on Top: 64.79,32.9 64.6,32.64 64.43,32.5 64.26,32.39 64.06,32.27 63.82,32.06 64.31,31.56 64.96,31.29 65.06,31.61 65.09,31.85 65.1,32.06 65.15,32.29 65.3,32.58
Net-(SW5-Pad4) on Top: 60.07,35.53 60.26,35.79 60.43,35.93 60.61,36.04 60.81,36.16 61.05,36.37 60.56,36.87 59.91,37.14 59.81,36.82 59.78,36.58 59.77,36.37 59.71,36.14 59.57,35.85
Net-(SW5-Pad4) on Top: 59.71,36.08 59.52,35.83 59.35,35.68 59.18,35.58 58.98,35.45 58.73,35.24 59.23,34.75 59.87,34.48 59.97,34.8 60,35.04 60.02,35.25 60.07,35.47 60.22,35.77
Net-(SW5-Pad4) on Bottom: 58.36,33.64 58.59,33.83 58.78,33.92 58.98,33.96 59.2,34.01 59.5,34.1 59.23,34.75 58.58,35.02 58.48,34.72 58.44,34.5 58.4,34.31 58.31,34.11 58.11,33.88
Net-(SW6-Pad1) on Top: 66.51,14.76 66.32,14.5 66.15,14.36 65.98,14.25 65.78,14.13 65.54,13.92 66.03,13.42 66.68,13.15 66.78,13.47 66.81,13.71 66.82,13.92 66.87,14.15 67.02,14.44
Net-(SW6-Pad1) on Top: 67.18,16.65 67.15,16.42 67.07,16.27 66.96,16.16 66.83,16.02 66.71,15.81 67.36,15.54 68.01,15.81 67.89,16.02 67.76,16.16 67.65,16.27 67.56,16.42 67.53,16.65
Net-(SW6-Pad1) on Top: 66.88,14.21 67.07,14.46 67.24,14.61 67.41,14.71 67.61,14.83 67.85,15.04 67.36,15.54 66.71,15.81 66.61,15.49 66.58,15.25 66.57,15.04 66.51,14.81 66.37,14.52
Net-(SW6-Pad2) on Top: 65.18,15.27 65.37,15.52 65.54,15.67 65.72,15.77 65.92,15.9 66.16,16.11 65.66,16.6 65.02,16.87 64.92,16.56 64.89,16.32 64.87,16.11 64.82,15.88 64.67,15.59
Net-(SW6-Pad2) on Top: 64.82,15.82 64.63,15.57 64.46,15.42 64.28,15.31 64.08,15.19 63.84,14.98 64.34,14.48 64.98,14.22 65.08,14.53 65.11,14.77 65.13,14.98 65.18,15.21 65.33,15.5
Net-(SW6-Pad2) on Top: 65.49,17.73 65.46,17.5 65.38,17.35 65.26,17.23 65.14,17.09 65.02,16.87 65.66,16.6 66.31,16.87 66.19,17.09 66.06,17.23 65.95,17.35 65.87,17.5 65.84,17.73
Net-(SW6-Pad4) on Top: 59.74,19.01 59.55,18.75 59.38,18.61 59.2,18.5 59,18.38 58.76,18.17 59.25,17.67 59.9,17.41 60,17.72 60.03,17.96 60.04,18.17 60.1,18.4 60.24,18.69
Net-(SW6-Pad4) on Top: 60.1,18.46 60.29,18.71 60.46,18.86 60.63,18.96 60.83,19.09 61.08,19.3 60.58,19.79 59.93,20.06 59.84,19.74 59.81,19.5 59.79,19.29 59.74,19.07 59.59,18.78
Net-(SW6-Pad4) on Top: 57.91,17.23 58.25,17.2 58.48,17.14 58.68,17.06 58.92,17 59.25,16.97 59.25,17.67 58.76,18.17 58.58,17.97 58.45,17.8 58.33,17.68 58.16,17.6 57.91,17.58
Net-(VR1-PadH3) on Top: 91.72,22.53 91.62,22.54 91.51,22.57 91.41,22.62 91.3,22.67 91.2,22.74 90.7,22.23 91.2,21.72 91.3,21.78 91.41,21.84 91.51,21.88 91.62,21.91 91.72,21.93
Net-(VR1-PadV3) on Top: 91.72,31.42 91.62,31.43 91.51,31.46 91.41,31.51 91.3,31.56 91.2,31.63 90.7,31.12 91.2,30.61 91.3,30.67 91.41,30.73 91.51,30.77 91.62,30.8 91.72,30.82
Net-(VR1-PadV3) on Top: 112.33,30.82 112.61,30.78 112.9,30.72 113.19,30.61 113.48,30.47 113.76,30.3 114.55,31.12 113.76,31.94 113.48,31.76 113.19,31.62 112.9,31.52 112.61,31.45 112.33,31.42

Small or netless copper shapes (teardrops, artwork), in the pictures only: 57 on Top, 15 on Bottom

## Text on the board
F.Silkscreen: Horizontal | Vertical | Pad V1.2 | - | + | Shot / Speed
